# Altium PCB MIRA050CSP.PcbDoc (continued)
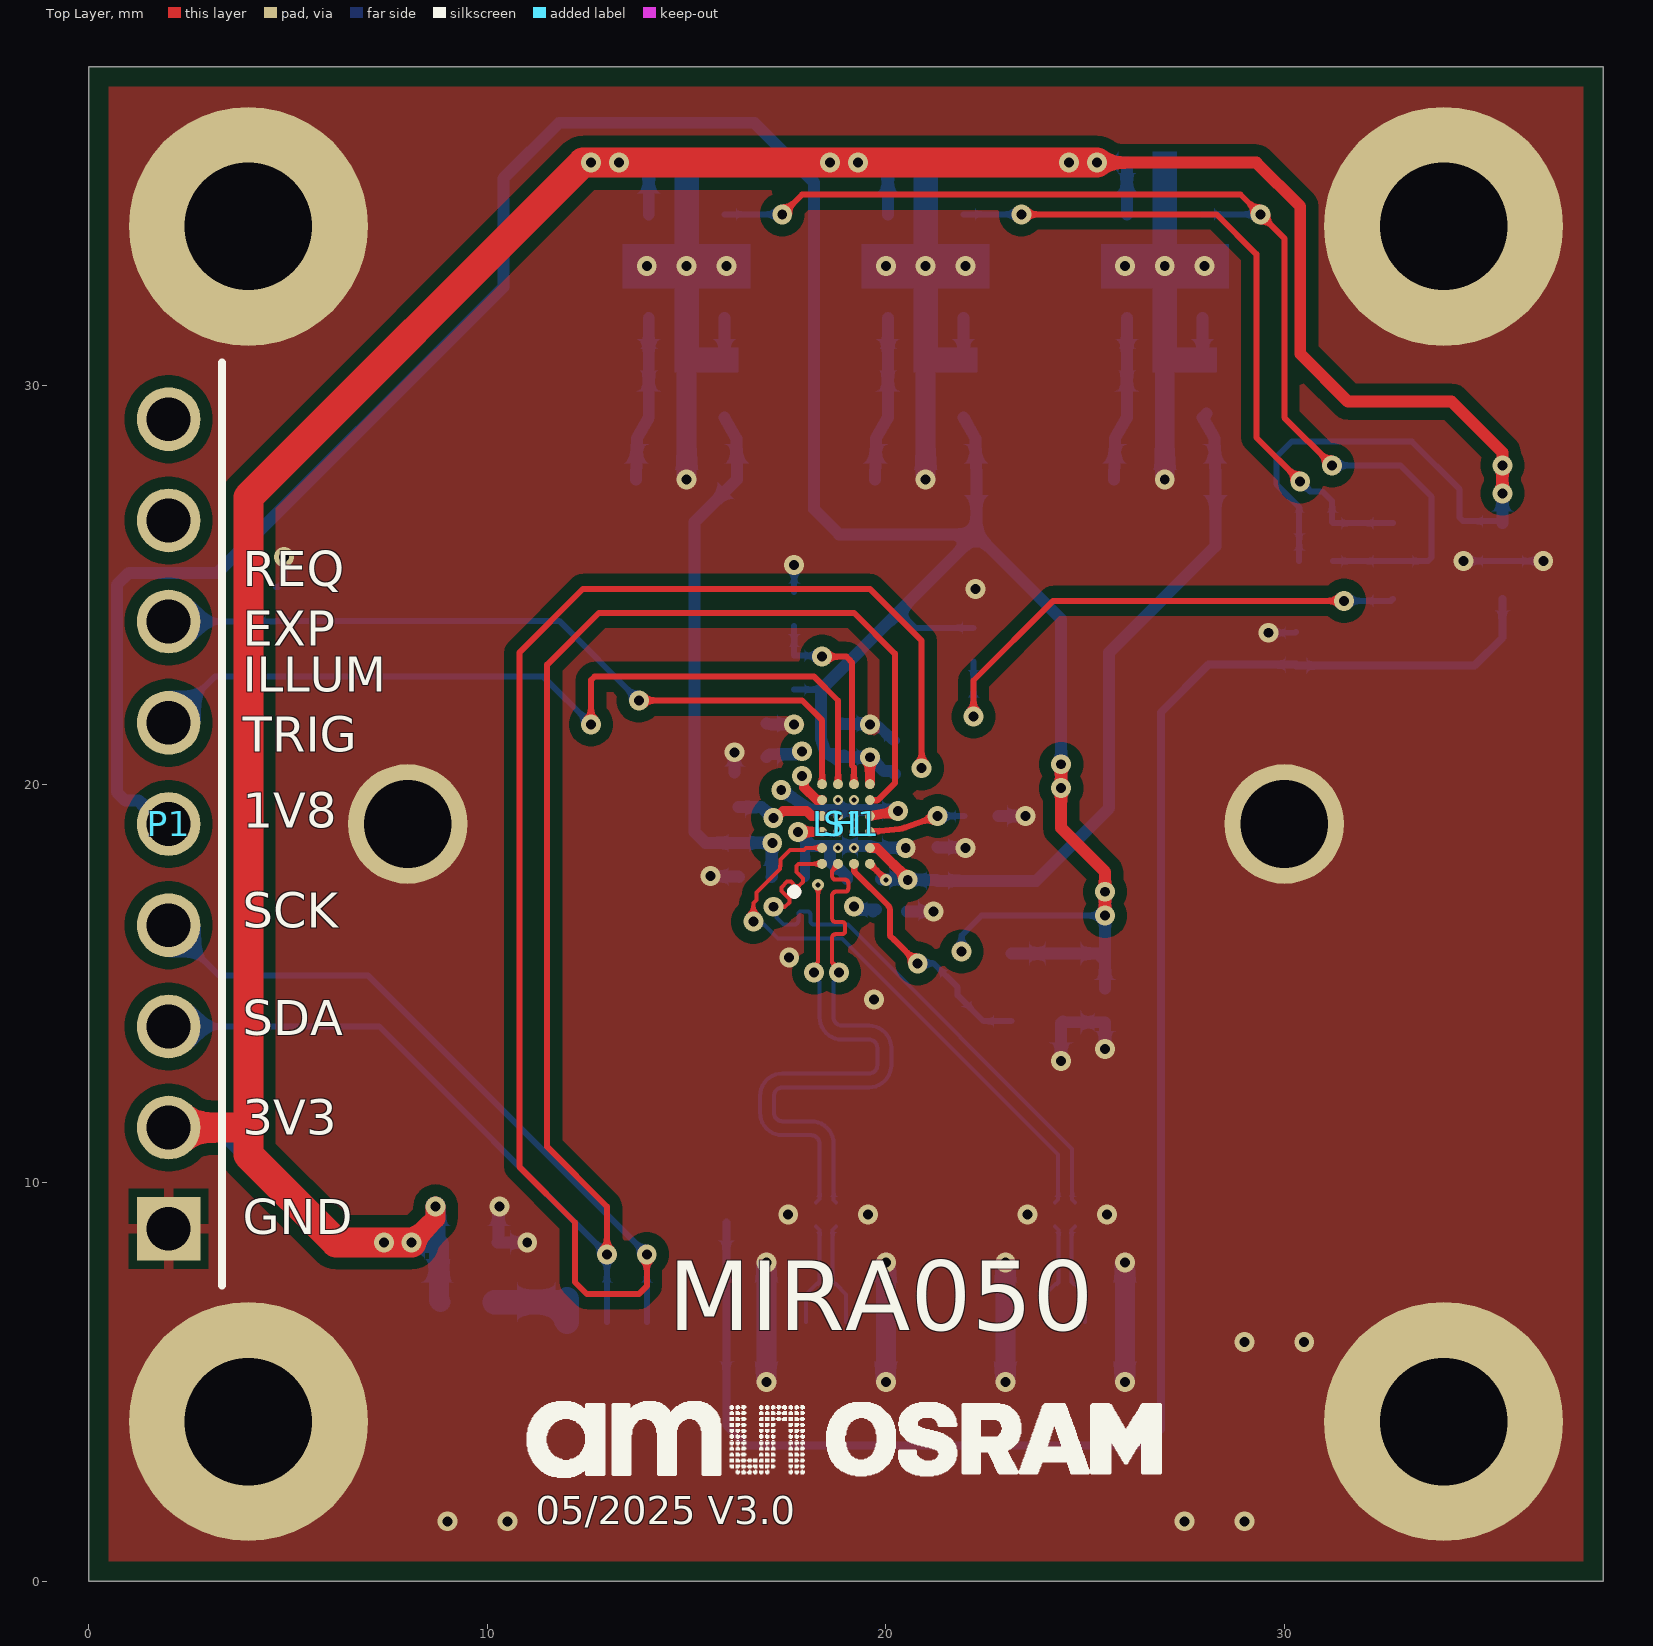
[diagram p0: Top Layer view]
## Design rules (kind name [scope] priority, off if disabled: settings)
Clearance [InNamedPolygon('GND_L01_P003') Or InNamedPolygon('GND_L02_P001') Or InNamedPolygon('GND_L03_P005') Or InNamedPolygon('GND_L04_P002')] p1: gap=0.3 ignorepadtopadclearanceinfootprint=FALSE
Clearance Clearance_L3 [OnLayer('Layer 3')] p2: gap=0.15 ignorepadtopadclearanceinfootprint=FALSE
Clearance Clearance_L3_1 [OnLayer('Layer 2')] p3: gap=0.15 ignorepadtopadclearanceinfootprint=FALSE
Clearance Clearance_L4 [OnLayer('Bottom Layer')] p4: gap=0.15 ignorepadtopadclearanceinfootprint=FALSE
Clearance Clearance_3 [All] p5: gap=0.125 ignorepadtopadclearanceinfootprint=FALSE
ComponentClearance [HasFootprint('Fiducial') vs HasFootprint('MIRA220CSP')] p1: gap=0 collisioncheckmode=3 verticalgap=0.254 showdistances=FALSE
ComponentClearance ComponentClearance_1 [All] p2: gap=0.2 collisioncheckmode=3 verticalgap=0.254 showdistances=FALSE
DiffPairsRouting [InDifferentialPairClass('All Differential Pairs')] p1: maxlimit=0.5 minlimit=0.15 mostfreqgap=0.25 toplayer_mingap=0.25 toplayer_maxgap=0.25 toplayer_minwidth=0.1 toplayer_maxwidth=0.1 toplayer_prefwidth=0.1 bottomlayer_mingap=0.25 bottomlayer_maxgap=0.25 bottomlayer_minwidth=0.1 bottomlayer_maxwidth=0.1 bottomlayer_prefwidth=0.1 impedanceprofiledriven=TRUE impedanceprofileid={A97C6509-805A-4A65-91DB-B8C01E69FF81} impedanceprofilevalue=100.000000 maxuncoupledlength=3
HoleSize [All] p1: absolutevalues=TRUE maxlimit=5 minlimit=0.125 maxpercent=80.000 minpercent=20.000
HoleToHoleClearance [All] p1: gap=0.25 allowstackedmicrovias=TRUE
MatchedLengths [InDifferentialPairClass('All Differential Pairs')] p1: tolerance=0.1 checknetsindiffpair=TRUE checkdiffpairvsdiffpair=FALSE checkxsignals=FALSE checkothers=FALSE
MatchedLengths MatchLengths_xSignals_S1_J1 [InxSignalClass('xSignals_S1_J1_MatchLengthsClass')] p2: tolerance=0.1 checknetsindiffpair=FALSE checkdiffpairvsdiffpair=TRUE checkxsignals=TRUE checkothers=TRUE
MinimumSolderMaskSliver [All] p1: minsoldermaskwidth=0.075
PasteMaskExpansion PasteMaskExpansion_1 [InComponent('C12')] p1: expansion=-2539.975 usepaste=FALSE
PasteMaskExpansion PasteMaskExpansion_2 [InComponent('R10')] p2: expansion=-2539.975 usepaste=FALSE
PasteMaskExpansion [All] p3: expansion=0
PolygonConnect PolygonConnect_2 [HasPad('Free-M')] p1: connectstyle=Direct reliefconductorwidth=0.254 reliefentries=4 polygonreliefangle="90 Angle" airgapwidth=0.254
PolygonConnect [All] p2: thpad.connectstyle=Relief thpad.reliefconductorwidth=0.25 thpad.reliefentries=4 thpad.polygonreliefangle="90 Angle" thpad.airgapwidth=0.2 smdpad.connectstyle=Relief smdpad.reliefconductorwidth=0.25 smdpad.reliefentries=4 smdpad.polygonreliefangle="90 Angle" smdpad.airgapwidth=0.2 via.connectstyle=Direct via.reliefconductorwidth=0.25 via.reliefentries=4 via.polygonreliefangle="90 Angle" via.airgapwidth=0.2
RoutingVias RoutingVias_Thru [InDrillLayerPair('Top Layer - Bottom Layer')] p1: holewidth=0.25 width=0.5 viastyle="Through Hole" minholewidth=0.25 minwidth=0.5 maxholewidth=0.25 maxwidth=0.5
RoutingVias RoutingVias_1_2 [InDrillLayerPair('[uVia] Top Layer - Layer 2')] p2: holewidth=0.125 width=0.3 viastyle="Through Hole" minholewidth=0.125 minwidth=0.25 maxholewidth=0.125 maxwidth=0.3
SilkToSilkClearance [All] p1: silktosilkclearance=0.15
SilkToSolderMaskClearance [IsPad] p1: minsilkscreentomaskgap=0.1 clearancetoexposedcopper=TRUE
SolderMaskExpansion SolderMaskExpansion_1 [All] p1: expansion=0.025 istentingtop=FALSE
UnRoutedNet [All] p1: checkbadconnections=TRUE
Width [All] p1: maxlimit=1 minlimit=0.1 preferedwidth=0.15
21 further rules are at their usual default settings.

## Classes and differential pairs
differential pair MIPI_D: +MIPI_D_P -MIPI_D_N
differential pair CON_MIPI_D0: +CON_MIPI_D0_P -CON_MIPI_D0_N
differential pair CON_MIPI_CLK: +CON_MIPI_CLK_P -CON_MIPI_CLK_N
differential pair MIPI_CLK: +MIPI_CLK_P -MIPI_CLK_N

## Components (designator, comment, footprint, x,y, rotation, side; value= is the part's Value field where it differs from the comment)
C1 "2.2uF" CAPC0402_BEMA 26.475,35.6 r0 bottom (schematic designator C27)
C2 "2.2uF" CAPC0402_BEMA 20.475,35.6 r0 bottom (schematic designator C25)
C3 "2.2uF" CAPC0402_BEMA 14.475,35.6 r0 bottom (schematic designator C23)
C4 "2.2uF" CAPC0402_BEMA 26.475,30.65 r0 bottom (schematic designator C26)
C5 "2.2uF" CAPC0402_BEMA 20.475,30.65 r0 bottom (schematic designator C24)
C6 "2.2uF" CAPC0402_BEMA 14.475,30.65 r0 bottom (schematic designator C22)
C7 "1uF" CAPC0402_BEMA 19,21.1 r90 bottom (schematic designator C6)
C8 "100nF" CAPC0402_BEMA 17,21.1 r90 bottom (schematic designator C3)
C9 "100nF" CAPC0402_BEMA 20.225,20.675 r90 bottom (schematic designator C10)
C10 "1uF" CAPC0402_BEMA 16.2,19.8 r90 bottom (schematic designator C5)
C11 "2.2uF" CAPC0402_N 19.6,18.9 r270 bottom (schematic designator C1)
C12 "NO BOM" CAPC0402_N 18.6,18.9 r270 bottom (schematic designator C8)
C13 "10uF" CAPC0402_BEMA 16.313,18.1 r270 bottom (schematic designator C2)
C14 "10uF" CAPC0402_BEMA 21.3,18 r90 bottom (schematic designator C7)
C15 "100nF" CAPC0402_BEMA 17.55,17.675 r0 bottom (schematic designator C9)
C16 "100nF" CAPC0402_BEMA 19.45,17.625 r180 bottom (schematic designator C11)
C17 "2.2uF" CAPC0402_BEMA 20.175,16.85 r0 bottom (schematic designator C4)
C18 "2.2uF" CAPC0402_BEMA 25.5,14.45 r270 bottom (schematic designator C28)
C19 "22uF 0603 >10V" CAPC0603_BEMA 9.5,8.5 r0 bottom (schematic designator C21)
FB1 "BLM18AG601SN1D" FP-BLM18-0_15-t0_8-IPC_B 9.5,7 r0 bottom (schematic designator FB4)
J1 "1-84952-5" TE_1-84952-5 19,6.5 r180 bottom locked
L1 "DLM0NSN500HY2" FP-DLM0N-MFG 24.5,9.2 r90 bottom locked
L2 "DLM0NSN500HY2" FP-DLM0N-MFG 18.5,9.2 r90 bottom locked
LH1 "LensHolder12mm" LensHolder12mmSmount 19,19 r0 top locked
P1 "61300911121" 61300911121 2,19 r90 top locked
R1 "0, 0805" RESC0805_BEMA 27,29.198 r0 bottom (schematic designator R5)
R2 "0, 0805" RESC0805_BEMA 21,29.198 r0 bottom (schematic designator R4)
R3 "0, 0805" RESC0805_BEMA 15,29.198 r0 bottom
R4 "100K" RESC0402_BEMA 30.8,26.55 r180 bottom (schematic designator R6)
R5 "100K" RESC0402_BEMA 30.8,25.6 r180 bottom (schematic designator R7)
R6 "100K" RESC0402_BEMA 4.7,24.525 r270 bottom (schematic designator R1)
R7 "100K" RESC0402_BEMA 17.7,24.4 r270 bottom (schematic designator R10)
R8 "100K" RESC0402_BEMA 22.2,23.5 r90 bottom
R9 "100K" RESC0402_BEMA 30.3,23.4 r270 bottom (schematic designator R11)
R10 "NO BOM" RESC0402_BEMA 17.7,22.8 r270 bottom (schematic designator R9)
R11 "15.2K" RESC0402_BEMA 22.4,19.2 r0 bottom (schematic designator R2)
S1 "MIRA050_CSP" MIRA050CSP 19,19 r0 top locked
TP1 "1V8" TP_1mm 22.27,27.65 r0 bottom (schematic designator TP10)
TP2 "1V2" TP_1mm 28.27,27.65 r0 bottom (schematic designator TP12)
TP3 "TestPoint" TP_1mm 25.73,27.65 r270 bottom (schematic designator TP11)
TP4 "TestPoint" TP_1mm 19.73,27.65 r270 bottom (schematic designator TP9)
TP5 "2V8" TP_1mm 16.27,27.65 r0 bottom (schematic designator TP8)
TP6 "TestPoint" TP_1mm 13.73,27.65 r270 bottom (schematic designator TP7)
TP7 "TestPoint" TP_075mm 27,27.65 r180 bottom (schematic designator TP1)
TP8 "TestPoint" TP_075mm 21,27.65 r180 bottom (schematic designator TP3)
TP9 "TestPoint" TP_075mm 15,27.65 r180 bottom (schematic designator TP2)
TP10 "TestPoint" TP_1MM 22.2,21.7 r270 bottom (schematic designator TP4)
TP11 "TestPoint" TP_1MM 21.8,14.9 r270 bottom (schematic designator TP6)
TP12 "TestPoint" TP_1MM 16,9 r90 bottom (schematic designator TP5)
U1 "LP5907MFX-1.2/NOPB" FP-DBV0005A-MFG 27,33 r270 bottom (schematic designator U7)
U2 "LP5907MFX-1.8/NOPB" FP-DBV0005A-MFG 21,33 r270 bottom (schematic designator U6)
U3 "LP5907MFX-2.8/NOPB" FP-DBV0005A-MFG 15,33 r270 bottom (schematic designator U5)
U4 "LM3880MF-1AA/NOPB" DBV0006A_N 34.1,25.6 r180 bottom
Y1 "SG-210STF 24.0000ML0" 2.5X2_OSC 23.8,14.9 r270 bottom

## Footprints (in the part's own frame and the unit in brackets; to place one, negate y for a bottom-side part, rotate by r counter-clockwise, add the part's x,y. Pads: shape width x height; smd on the part's side, far side on the other; paste and mask are expansions set on the pad)
2.5X2_OSC [mm] "Epson SG-211 series"
  rect 1.1x0.9 smd: 1(-0.85,-0.65) 2(0.85,-0.65) 3(0.85,0.65) 4(-0.85,0.65)
  silkscreen extent -1.8,-1.6 1.25,1, body extent -1.25,-1 1.25,1, height 0.79
61300911121 [mm] "Pin Header, pitch 2.54 mm, THT, Vertical, single row, 9p"
  rect 1.6x1.6 hole 1.1: 1(-10.16,0)
  round 1.6 hole 1.1: 2(-7.62,0) 3(-5.08,0) 4(-2.54,0) 5(0,0) 6(2.54,0) 7(5.08,0) 8(7.62,0) 9(10.16,0)
  silkscreen extent -11.58,-1.35 11.58,-1.35, body extent -11.43,-1.27 11.43,1.27, height 8.57
CAPC0402_BEMA [mm]
  rect 0.45x0.55 smd: 1(-0.425,0) 2(0.425,0)
  body extent -0.5,-0.26 0.5,0.26, height 0.52
CAPC0402_N [mm]
  rect 0.62x0.62 smd: 1(-0.45,0) 2(0.45,0)
  body extent -0.5,-0.26 0.5,0.26, height 0.52
CAPC0603_BEMA [mm]
  rect 0.65x0.85 smd: 1(-0.75,0) 2(0.75,0)
  body extent -0.8,-0.4 0.8,0.4, height 0.8
DBV0006A_N [mm] "SOT23, 6-Leads, Body 3.05x1.75mm, Pitch 0.95mm, IPC Medium Density"
  rrect17% 1x0.6 smd: 1(-1.375,0.95) 2(-1.375,0) 3(-1.375,-0.95) 4(1.375,-0.95) 5(1.375,0) 6(1.375,0.95)
  silkscreen extent -1.5,-1.55 0.5,1.92, body extent -1.42,-1.46 1.42,1.46, height 1.11
FP-BLM18-0_15-t0_8-IPC_B [mm]
  rect 1.106x0.958 smd paste+0 mask+0: 1(-0.676,0) 2(0.676,0)
  body extent -0.8,-0.4 0.8,0.4, height 0.95
FP-DBV0005A-MFG [mm]
  rrect17% 1.1x0.6 smd: 1(-1.3,0.95) 2(-1.3,0) 3(-1.3,-0.95) 4(1.3,-0.95) 5(1.3,0.95)
  silkscreen extent -1.55,-1.53 0.87,1.85, body extent -1.4,-1.45 1.4,1.45, height 1.45
FP-DLM0N-MFG [mm]
  rect 0.3x0.3 smd: 1(-0.3,0.25) 2(0.3,0.25) 3(0.3,-0.25) 4(-0.3,-0.25)
  silkscreen extent -1.02,0.48 -0.78,0.72, body extent -0.33,-0.43 0.33,0.43, height 0.5
LensHolder12mmSmount [mm] "with clearances for / Alaud Holder-004 (long BFL) / Alaud H1109 (short BFL)"
  round 3 / inner round 3 / far side round 5 hole 2.2 paste-10 mask+0.1: M(-11,0) M(11,0)
  body extent -13.19,-10 13.19,10, height 12.5
MIRA050CSP [mm]
  round 0.25 smd mask+0.025: A1(-0.6,-1) A2(-0.2,-1) A3(0.2,-1) A4(0.6,-1) B1(-0.6,-0.6) B2(-0.2,-0.6) B3(0.2,-0.6) B4(0.6,-0.6) C1(-0.6,-0.2) C2(-0.2,-0.2) C3(0.2,-0.2) C4(0.6,-0.2) D1(-0.6,0.2) D2(-0.2,0.2) D3(0.2,0.2) D4(0.6,0.2) E1(-0.6,0.6) E2(-0.2,0.6) E3(0.2,0.6) E4(0.6,0.6) F1(-0.6,1) F2(-0.2,1) F3(0.2,1) F4(0.6,1)
  silkscreen extent -1.35,-1.75 -1.25,-1.65, body extent -1.14,-1.42 1.14,1.42, height 0.63
RESC0402_BEMA [mm]
  rect 0.45x0.55 smd: 1(-0.425,0) 2(0.425,0)
  body extent -0.5,-0.25 0.5,0.25, height 0.35
RESC0805_BEMA [mm] "Thick Film Resistors, SMT, body size 2x1.25mm"
  rect 0.9x1.35 smd: 1(-0.95,0) 2(0.95,0)
  body extent -1,-0.62 1,0.63, height 0.6
TE_1-84952-5 [mm]
  rect 0.61x2 smd: 1(-7,0) 2(-6,0) 3(-5,0) 4(-4,0) 5(-3,0) 6(-2,0) 7(-1,0) 8(0,0) 9(1,0) 10(2,0) 11(3,0) 12(4,0) 13(5,0) 14(6,0) 15(7,0)
  rect 2.68x3.6 smd: S1(-9.99,-2.8) S2(9.99,-2.8)
  silkscreen extent -11.46,-6.4 11.46,0.27, body extent -11.48,-6.45 11.44,0.09, height 2.55
TP_1mm [mm]
  round 1 smd paste-2539.97: 1(0,0)
TP_1MM [mm]
  round 1 smd paste-0.5: 1(0,0)
TP_075mm [mm]
  round 0.75 smd paste-2539.97 mask-0.05: 1(0,0)

## Part data
C1 C2 C3 C4 C5 C6 C11 C17 C18: library part Capacitor, "SMT Capacitor", Part Number=GRM155R61E225ME15D
C7 C10: library part Capacitor, "SMT Capacitor", Part Number=GRM155Z71A105KE01
C8 C9 C15 C16: library part Capacitor, "SMT Capacitor", Part Number=GRM155R71E104KE14J
C12: library part Capacitor, "SMT Capacitor"
C13 C14: library part Capacitor, "SMT Capacitor", Part Number=GRM155R60J106ME15D
C19: library part Capacitor, "SMT Capacitor", Part Number=GRM187R61A226ME15D
FB1: library part CMP-0686-00436-3, "Chip Ferrite Bead, 0603, 600Ω @ 100MHz, 0.38Ω, 25%, 500mA", Case Code (Imperial)=0603, Case Code (Metric)=1608, Current Rating=500mA, DC Resistance (DCR)=380mR, Frequency=100MHz, Max Operating Temperature=125°C, Min Operating Temperature=-55°C, Package Quantity=1, Tolerance=25%, Case/Package=0603, Core Material=Ferrite, DC Current=500mA, Depth=0.8mm, Height=0.8mm, Impedance=600R, Lead Free="Lead Free", Length=1.6mm, Material=Steel, Max Current Rating=500mA, Max DC Current=500mA, Military Standard=Not, Number of Circuits=1, Number of Lines=1, Number of Pins=2, Packaging="Tape and Reel", Part Number=BLM18AG601SN1D, Radiation Hardening=No, REACH SVHC="No SVHC", RoHS Compliant=Yes, Shielding=Unshielded, Termination=SMD/SMT, Test Frequency=100MHz, Weight=7.1E-05oz, Width=0.8mm
J1: "Conn FPC Connector SKT 15 POS 1mm Solder RA SMD T/R", Part Number=1-84952-5
L1 L2: library part CMP-2000-06161-2_1, "Common Mode Choke 50Ohm 100mA 4-Pin 03025 Paper T/R", Manufacturer=Murata, Manufacturer Part Number=DLM0NSN500HY2D, Supplier Part Number 1=2235025, Category="Common Mode Chokes", Part Number=DLM0NSN500HY2, Pricing 1="50=0.07600, 250=0.07100, 500=0.05800, 1000=0.05300, 2500=0.04700 (GBP)", RoHS=Yes, Stock 1=9350, Supplier 1=RSComponents
P1: library part CMP-1502-01080-1, "THT Vertical Pin Header WR-PHD, Pitch 2.54 mm, Single Row, 9 pins", Contact Resistance=20mOhm, Manufacturer="Wurth Elektronik", Operating Temperature=-40to105degC, Rated Current=3A, Withstanding Voltage=500VAC, Working Voltage=250VAC, Datasheet URL=https://katalog.we-online.de/em/datasheet/6130xx11121.pdf, Gender=Male, Manufacturer URL=http://www.we-online.de, Mounting Technology=THT, Orientation=Vertical, Package Reference=61300911121, Packaging=Bag, Part Number=61300911121, Pin Number=9, Pitch=2.54mm, Publisher=WurthElektronik, Row Number=Single
R1 R2 R3: library part Resistor, "SMT Resistor", Part Number="0, 0805, generic"
R4 R5 R6 R7 R8 R9: library part Resistor, "SMT Resistor", Part Number="100K 0402, generic"
R10: library part Resistor, "SMT Resistor"
R11: library part Resistor, "SMT Resistor", Part Number=RN73R1ETTP1522B25
S1: "AMS-OSRAM MIRA050 CSP, MONO", Part Number=Mira050-2QM1WB
TP1 TP2 TP5: library part TestPoint, "Test Point, various footprints"
TP3 TP4 TP6 TP7 TP8 TP9: "Test Point, various footprints"
TP10 TP11 TP12: library part 5001, "Test Point, various footprints"
U1 U2 U3: library part LDO-STO23-5, "IC REG LINEAR fixed Voltage, SOT23-5 / SOT-25 / SC74A package", Mount="Surface Mount"
  U1: Part Number=LP5907MFX-1.2/NOPB
  U2: Part Number=LP5907MFX-1.8/NOPB
  U3: Part Number=LP5907MFX-2.8/NOPB
U4: library part CMP-0063-01015-4, "Power Sequencer, 6-pin SOT-23, Pb-Free, 1000 Reel", Part Number=LM3880MF-1AA/NOPB
Y1: library part OSC, "OSC, 24MHz, 1.8V, CMOS, EN", ComponentLink2Description=Datasheet, ComponentLink2URL=http://ww1.microchip.com/downloads/en/DeviceDoc/20005624B.pdf, Device Class L3=Oscillators, Part Number="SG-210STF 24.0000ML0"

## Free pads (board coordinates)
  round 6 hole 3.2 paste-3: M(4,4) M(4,34) M(34,4) M(34,34)

## Via types
v1: diameter 0.5, hole 0.25, Top Layer to Bottom Layer, tented both sides, 95 vias
v2: diameter 0.25, hole 0.125, Top Layer to Layer 2, tented both sides, 8 vias
v3: diameter 0.3, hole 0.125, Top Layer to Layer 2, tented both sides, 2 vias

## Nets (pads, with @x,y where several pads share a name; then routed paths per layer and width w, separated by ;. In a path a pad name is that pad's centre, name@x,y a point inside that pad or via, vN(x,y) a via of type N, cw(c..) or ccw(c..) an arc to the next point about the centre after c; other vN are vias at no path point)
CAM_ENABLE: J1.11 R9.2 TP12.1 U4.3 | length 44.7
  Bottom Layer w0.2: TP12.1 J1.11 16,3.9 16.5,3.4 26.5,3.4 26.9,3.8 26.9,21.8 28.1,23 R9.2@30.3,23 ; R9.2 34.775,22.975 35.475,23.675 U4.3
CCI_ADDR: R7.2 R10.1 S1.F3 | length 5.1
  Top Layer w0.15: v1(18.4,23.2) 19.012,23.2 19.1,23.112 19.1,23.1 19.15,23.05 19.15,20.469 19.2,20.419 S1.F3
  Bottom Layer w0.15: R7.2 R10.1 v1@18.201,23.225
CLK240: S1.A3 TP11.1 Y1.3 | length 6.2
  Top Layer w0.15: S1.A3 19.211,17.989 19.211,17.8 20.056,16.955 cw(c19.95,16.849) 20.1,16.849 20.1,16.2 20.209,16.091 v1(20.8,15.5)
  Bottom Layer w0.15: v1(20.8,15.5) 21.2,15.5 TP11.1 21.8,14.7 22.45,14.05 Y1.3
CON_MIPI_CLK_N: J1.8 L2.1 | length 2.6
  Bottom Layer w0.1: L2.1 18.663,8.812 18.663,7.509 18.721,7.45 18.745,7.45 19,7.195 J1.8
CON_MIPI_CLK_P: J1.9 L2.4 | length 2.6
  Bottom Layer w0.1: J1.9 18,7.195 18.255,7.45 18.279,7.45 18.337,7.509 18.337,8.813 L2.4
CON_MIPI_D0_N: J1.2 L1.1 | length 2.6
  Bottom Layer w0.1: L1.1 24.662,8.812 24.662,7.797 24.663,7.509 24.721,7.45 24.745,7.45 25,7.195 J1.2
CON_MIPI_D0_P: J1.3 L1.4 | length 2.6
  Bottom Layer w0.1: J1.3 24,7.195 24.255,7.45 24.279,7.45 24.338,7.509 24.338,7.663 24.337,8.813 L1.4
EN_LDO_18: R4.1 U2.3 U4.6 | length 17
  Top Layer w0.15: v1(23.4,34.3) 28.3,34.3 29.3,33.3 29.3,28.7 v1(30.4,27.6)
  Bottom Layer w0.15: U2.3 v1(23.4,34.3) ; v1(30.4,27.6) 30.65,27.35 30.95,27.35 31.2,27.1 31.2,26.575 R4.1 U4.6
EN_LDO_28_12: R5.1 U1.3 U3.3 U4.5 | length 29.2
  Top Layer w0.15: v1(17.4,34.3) 17.9,34.8 28.9,34.8 v1(29.4,34.3) 30,33.7 30,29.2 v1(31.2,28)
  Bottom Layer w0.15: U3.3 v1(17.4,34.3) ; U1.3 v1(29.4,34.3) ; v1(31.2,28) 32.912,28 33.7,27.212 33.7,25.688 33.612,25.6 U4.5 R5.1
GND: C1.2 C2.2 C3.2 C4.2 C5.2 C6.2 C7.2 C8.2 C9.2 C10.2 C11.2 C12.2 C13.2 C14.2 C15.2 C16.2 C17.2 C18.2 C19.2 J1.1 J1.4 J1.7 J1.10 J1.S1 J1.S2 LH1.M P1.1 pad.M R6.1 R7.1 R9.1 R11.2 S1.C1 S1.C3 S1.E1 TP7.1 TP8.1 TP9.1 U1.2 U1.4 U2.2 U2.4 U3.2 U3.4 U4.2 Y1.2 | length 53.6
  Top Layer w0.25: v1(17.8,18.8) S1.C1 ; v1(17.9,20.2) 17.948,20.152 17.948,19.922 18.27,19.6 S1.E1
  Layer 2 w0.25: v2(19.2,18.8) cw(c19.2,18.4) 19.33,18.778 19.764,18.629 ccw(c19.845,18.866) 19.77,18.627 v1(20.5,18.4)
  Bottom Layer w0.15: R6.1 4.75,24.95 4.9,25.1 v1(4.9,25.7) ; R7.1 v1(17.7,25.5) ; v1(29.6,23.8) 30.275,23.8 R9.1 ; v1(34.5,25.6) U4.2 v1(36.5,25.6)
  Bottom Layer w0.25: v1(17.8,18.8) 17.8,18.732 17.975,18.557 C15.2 ; v1(19.6,21.5) 19.648,21.452 19.823,21.452 20.175,21.1 C9.2
  Bottom Layer w0.3: v1(10.3,9.4) 10.275,9.375 10.275,8.525 C19.2 v1(11,8.5) ; v1(15.6,17.7) 15.612,17.688 16.3,17.688 C13.2 ; 15.95,30.55 U3.4 ; v1(16.2,20.8) 16.2,20.291 C10.2@16.203,20.288 ; C8.2 17.125,21.5 v1(17.7,21.5) ; v1(17.8,18.8) 18.15,18.45 C12.2 ; C7.2@18.9,21.525 18.913,21.512 19.587,21.512 v1(19.6,21.5) ; C16.2 19.025,17.675 18.826,17.874 18.776,17.874 18.6,18.05 C12.2 ; v1(20.5,18.4) 19.76,18.4 C11.2 C12.2 ; C17.2@20.525,16.8 v1(21.2,16.8) ; C14.2 21.313,18.413 21.987,18.413 v1(22,18.4) ; 21.95,30.55 U2.4 ; R11.2 22.9,19.2 v1(23.5,19.2) ; v1(24.4,13.05) 24.4,14 Y1.2 24.475,14.025 C18.2 v1(25.5,13.35) ; 27.95,30.55 U1.4
  Bottom Layer w0.5: v1(15,27.65) v1(15,33) ; v1(17,5) J1.10 v1(17,8) ; v1(20,5) J1.7 v1(20,8) ; v1(21,27.65) v1(21,33) ; v1(23,5) J1.4 v1(23,8) ; v1(26,5) J1.1 v1(26,8) ; v1(27,27.65) v1(27,33)
  other v1: 9,1.5 10.5,1.5 27.5,1.5 29,1.5 29,6 30.5,6 17.55,9.2 19.55,9.2 23.55,9.2 25.55,9.2 19.7,14.6 17.575,15.65 22.25,24.9 14,33 16,33 20,33 22,33 26,33 28,33
MIPI_CLK_N: L2.2 S1.A2 | length 14.8
  Top Layer w0.1: S1.A2 18.8,17.976 18.735,17.911 18.65,17.826 18.65,17.701 ccw(c18.75,17.701) 18.75,17.601 18.982,17.601 cw(c18.982,17.526) 19.057,17.526 19.057,17.376 cw(c18.982,17.376) 18.982,17.301 18.75,17.301 ccw(c18.75,17.201) 18.65,17.201 18.65,16.851 18.65,16.638 ccw(c18.75,16.638) 18.75,16.538 18.904,16.538 cw(c18.904,16.463) 18.979,16.463 18.979,16.313 cw(c18.904,16.313) 18.904,16.238 18.75,16.238 ccw(c18.75,16.138) 18.65,16.138 18.65,15.788 18.65,15.524 18.825,15.349 v1(18.825,15.275)
  Bottom Layer w0.1: L2.2 18.687,9.563 18.687,10.225 18.687,10.976 ccw(c18.125,10.976) 18.125,11.539 17.406,11.539 cw(c17.406,11.751) 17.193,11.751 17.193,12.176 cw(c17.406,12.176) 17.406,12.389 19.574,12.389 ccw(c19.574,12.951) 20.137,12.951 20.137,13.376 ccw(c19.574,13.376) 19.574,13.939 18.9,13.939 cw(c18.9,14.151) 18.687,14.151 18.687,14.376 18.687,15.029 18.825,15.167 v1(18.825,15.275)
MIPI_CLK_P: L2.3 S1.B2 | length 14.1
  Top Layer w0.1: v1(18.2,15.275) 18.277,15.352 18.277,15.51 18.3,15.534 v3(18.3,17.475)
  Layer 2 w0.125: v3(18.3,17.475) 18.3,17.9 v2(18.8,18.4)
  Bottom Layer w0.1: v1(18.2,15.275) 18.2,15.167 18.337,15.029 18.337,14.376 18.337,14.151 ccw(c18.9,14.151) 18.9,13.589 19.574,13.589 cw(c19.574,13.376) 19.787,13.376 19.787,12.951 cw(c19.574,12.951) 19.574,12.739 17.406,12.739 ccw(c17.406,12.176) 16.843,12.176 16.843,11.751 ccw(c17.406,11.751) 17.406,11.189 18.125,11.189 cw(c18.125,10.976) 18.337,10.976 18.337,10.37 18.337,10.225 18.337,9.587 L2.3
MIPI_D_N: L1.2 S1.A1 | length 14.8
  Top Layer w0.1: v1@17.193,16.94 v1(17.176,16.923) 17.473,16.923 17.584,17.034 17.584,17.116 17.376,17.324 17.376,17.407 17.522,17.553 17.622,17.553 17.725,17.45 17.825,17.45 17.921,17.546 17.921,17.629 17.754,17.796 17.754,17.941 17.813,18 18.163,18 S1.A1
  Bottom Layer w0.1: v1(17.176,16.923) 17.252,16.847 17.252,16.657 17.434,16.475 17.654,16.475 17.704,16.475 ccw(c17.704,16.575) 17.804,16.575 17.804,16.732 cw(c17.879,16.732) 17.879,16.807 18.029,16.807 cw(c18.029,16.732) 18.104,16.732 18.104,16.575 ccw(c18.204,16.575) 18.204,16.475 18.367,16.475 19.045,16.475 24.675,10.845 24.675,9.575 L1.2
MIPI_D_P: L1.3 S1.B1 | length 14.3
  Top Layer w0.1: v1(16.674,16.549) 16.674,17.019 16.751,17.095 16.751,17.276 17.346,17.871 17.346,17.941 17.354,17.95 17.354,18.107 17.597,18.35 17.947,18.35 17.997,18.4 S1.B1
  Bottom Layer w0.1: v1(16.674,16.549) 16.751,16.473 16.941,16.473 17.289,16.125 18.9,16.125 24.325,10.7 24.325,9.575 L1.3
R_EXT: R11.1 S1.C4 | length 2.4
  Top Layer w0.15: S1.C4 20.346,18.877 ccw(c20.3,19.325) 20.472,18.909 cw(c20.529,18.77) 20.49,18.915 ccw(c20.45,19.06) 20.499,18.918 v1(21.3,19.2)
  Bottom Layer w0.15: v1(21.3,19.2) R11.1
REQ_EXP: P1.7 R6.2 S1.F1 | length 19
  Top Layer w0.15: v1(13.8,22.1) 17.9,22.1 18.4,21.6 18.4,21.4 S1.F1
  Bottom Layer w0.15: P1.7 4.68,24.08 R6.2 11.8,24.1 v1(13.8,22.1)
RST_N: R8.1 S1.E3 TP10.1 U4.4 | length 17.5
  Top Layer w0.15: v1(22.2,21.7) 22.2,22.6 24.2,24.6 v1@31.3,24.6
  Layer 2 w0.15: v2(19.2,19.6) 21.3,21.7 v1(22.2,21.7)
  Bottom Layer w0.15: v1(22.2,21.7) R8.1 ; v1@31.3,24.6 32.675,24.6 U4.4
  other v1: 31.5,24.6
SCK: J1.13 P1.4 S1.D3 | length 53.1
  Top Layer w0.15: v1(14,8.2) 14,7.4 13.8,7.2 12.5,7.2 12.2,7.5 12.2,9 10.8,10.4 10.8,23.3 12.4,24.9 19.6,24.9 20.9,23.6 v1(20.9,20.4)
  Layer 2 w0.15: v2(19.2,19.2) 19.375,19.2 19.6,19.425 19.6,19.575 20,19.975 20.475,19.975 v1(20.9,20.4)
  Bottom Layer w0.15: P1.4 3.26,15.2 7,15.2 v1(14,8.2) J1.13
SDA: J1.14 P1.3 S1.E4 | length 44.2
  Top Layer w0.15: v1(13,8.2) 13,9.4 11.5,10.9 11.5,23 12.8,24.3 19.2,24.3 20.225,23.275 20.225,20.025 19.8,19.6 S1.E4
  Bottom Layer w0.15: P1.3 7.28,13.92 v1(13,8.2) J1.14
TRIG_ILLUM: P1.6 S1.F2 | length 21.3
  Top Layer w0.15: v1(12.6,21.5) 12.6,22.612 12.688,22.7 18.2,22.7 18.8,22.1 18.8,21.4 S1.F2
  Bottom Layer w0.15: P1.6 3.16,22.7 11.4,22.7 v1(12.6,21.5)
VDD12: C14.1 C16.1 R1.2 S1.B4 TP2.1 | length 18.9
  Top Layer w0.25: S1.B4 19.775,18.4 20.55,17.625 v1(20.55,17.6)
  Bottom Layer w0.3: C16.1 19.887,17.613 20.537,17.613 v1(20.55,17.6) C14.1@21.275,17.6 ; C14.1 23.775,17.575 25.6,19.4 25.6,23.3 28.27,25.97 TP2.1 28.25,28.673 R1.2 R1.2@28.052,29.3
VDD18: C7.1 C9.1 C18.1 P1.5 R2.2 R8.2 R10.2 S1.A4 S1.F4 TP1.1 Y1.1 Y1.4 | length 84.2
  Top Layer w0.15: S1.A4 v3(20,17.6)
  Top Layer w0.25: S1.F4 v1(19.6,20.675)
  Top Layer w0.3: v1(24.4,20.5) 24.4,18.9 25.5,17.8 v1(25.5,16.7)
  Layer 2 w0.15: v1(19.6,20.675) cw(c19.747,20.647) v1@19.641,20.753 ; v3(20,17.6) 20,17.559 20.075,17.484 20.075,16.401 20.501,15.975 20.997,15.975 21.172,15.8 v1(21.9,15.8)
  Bottom Layer w0.15: P1.5 P1.5@2.1,19 ; R10.2 18.375,22.375 18.4,22.4 ; 20.335,24.335 20.745,23.925 R8.2 ; v1(21.9,15.8) 21.9,16.2 22.4,16.7 v1(25.5,16.7)
  Bottom Layer w0.3: P1.5 1.832,19 1.244,19.588 0.912,19.588 0.7,19.8 0.7,25 1,25.3 3.224,25.3 10.4,32.476 10.4,35.2 11.8,36.6 16.7,36.6 18.2,35.1 18.2,26.9 18.83,26.27 22.27,26.27 ; 18.375,22.375 18.375,21.174 ccw(c18.675,21.174) 18.401,21.051 cw(c17.9,20.825) 18.439,20.934 ccw(c18.733,20.995) 18.472,20.847 18.486,20.822 ccw(c18.747,20.97) 18.5,20.8 ccw(c18.802,21.102) 18.802,20.675 C7.1 ; 18.4,22.4 20.335,24.335 22.27,26.27 ; C7.1@18.95,20.725 C7.1 ; C9.1 20.15,20.325 19.95,20.325 v1(19.6,20.675) C7.1 ; R2.2 22.25,28.673 TP1.1 22.27,26.27 ; Y1.4 Y1.1 25.324,15.75 25.5,15.574 ; v1(24.4,19.9) v1(24.4,20.5) 24.4,24.14 22.27,26.27 ; C18.1 25.5,15.574 ; v1(25.5,17.3) v1(25.5,16.7) 25.5,15.574
  Bottom Layer w0.5: P1.5@2.1,19 P1.5@2.298,19
VDD28: C13.1 C15.1 R3.2 S1.C2 TP5.1 | length 15.8
  Layer 2 w0.25: v1(17.15,18.525) 17.577,18.325 ccw(c17.8,18.8) 18.297,18.631 cw(c18.534,18.55) 18.534,18.8 v2(18.8,18.8)
  Bottom Layer w0.3: R3.2 16.25,28.673 TP5.1 15.2,26.58 15.2,18.8 15.475,18.525 C13.1 v1(17.15,18.525) 17.138,18.513 17.138,17.687 C15.1
VDD33: C1.1 C2.1 C3.1 C19.1 FB1.1 P1.2 R4.2 R5.2 U1.1 U2.1 U3.1 U4.1 | length 96.6
  Top Layer w0.3: v1(25.3,35.6) 29.3,35.6 30.4,34.5 30.4,30.8 31.6,29.6 34.2,29.6 35.475,28.325 v1(35.475,28) v1(35.475,27.3)
  Top Layer w0.5: v1(8.1,8.5) 8.7,9.1 v1(8.7,9.4)
  Top Layer w0.75: P1.2 3.957,11.38 4,11.423 ; v1(8.1,8.5) v1(7.4,8.5) 6.2,8.5 4,10.7 4,11.423 ; v1(25.3,35.6) v1(24.6,35.6) 12.4,35.6 4,27.2 4,11.423
  Bottom Layer w0.15: R5.2 R4.2 30.375,26.953 29.8,27.528 29.8,28.212 30.188,28.6 33.2,28.6 34.4,27.4 34.4,26.688 34.488,26.6 35.425,26.6 U4.1
  Bottom Layer w0.3: v1(12.6,35.6) v1(13.3,35.6) C3.1 U3.1 ; v1(18.6,35.6) v1(19.3,35.6) C2.1 U2.1 ; v1(24.6,35.6) v1(25.3,35.6) 26.05,35.6 U1.1 ; U4.1 v1(35.475,27.3) v1(35.475,28)
  Bottom Layer w0.5: P1.2 3.32,11.38 6.2,8.5 v1(7.4,8.5) ; v1(8.1,8.5) v1(7.4,8.5) ; v1(8.7,9.4) 8.7,8.55 C19.1 ; FB1.1 8.787,7.037 8.787,8.463 C19.1 ; v1(7.4,8.5) 7.418,8.482 8.732,8.482 C19.1
VDD33_CON: FB1.2 J1.15 | length 2.9
  Bottom Layer w0.61: FB1.2 J1.15@12,7 ; J1.15@12,7.075 J1.15@12,7 ; J1.15@12,7 J1.15 J1.15@12,7
VINT_2: C11.1 C12.1 S1.D2 S1.D4 | length 5.4
  Top Layer w0.25: S1.D4 v1(20.3,19.325)
  Layer 2 w0.25: v1(17.375,19.85) 17.632,19.593 ccw(c17.808,19.771) 17.729,19.533 18.674,19.22 ccw(c18.8,19.6) v2(18.8,19.2)
  Bottom Layer w0.3: v1(17.375,19.85) 18.049,19.4 ccw(c18.216,19.65) 18.216,19.35 20.181,19.35 cw(c20.18,19.05) v1(20.3,19.325)
VINT_4: C17.1 S1.B3 | length 2.1
  Layer 2 w0.25: v1(19.2,16.925) 19.2,17.72 v2(19.2,18.4)
  Bottom Layer w0.3: v1(19.2,16.925) 19.254,16.925 19.329,16.85 C17.1 ; C17.1@19.675,16.8 C17.1@19.675,16.85
VINT_5: C10.1 S1.D1 | length 2.3
  Top Layer w0.25: v1(17.175,19.15) 17.243,19.15 17.418,19.325 18.014,19.325 18.139,19.2 S1.D1
  Bottom Layer w0.3: C10.1@16.3,19.425 16.884,19.425 17.159,19.15 v1(17.175,19.15)
VINT_6: C8.1 S1.E2 | length 2.7
  Layer 2 w0.25: v1(17.9,20.825) 18.121,20.825 cw(c18.121,20.575) 18.298,20.752 18.727,20.323 cw(c18.55,20.147) 18.8,20.147 v2(18.8,19.6)
  Bottom Layer w0.3: C8.1 17.075,20.75 17.771,20.75 17.846,20.825 v1(17.9,20.825)
VOUT12: C4.1 R1.1 TP3.1 U1.5 | length 4.1
  Bottom Layer w0.3: TP3.1 25.75,28.673 R1.1 U1.5
VOUT18: C5.1 R2.1 TP4.1 U2.5 | length 4.1
  Bottom Layer w0.3: TP4.1 19.75,28.673 R2.1 U2.5
VOUT28: C6.1 R3.1 TP6.1 U3.5 | length 4.1
  Bottom Layer w0.3: TP6.1 13.75,28.673 R3.1 U3.5
pads on no net: J1.5 J1.6 J1.12 P1.8 P1.9

## Polygon pours and split planes (outlines as drawn)
GND on Layer 3 "GND_L03_P005" (solid, remove dead copper, pour order 5): 0.5,0.5 37.5,0.5 37.5,37.5 0.5,37.5
GND on Bottom Layer "GND_L04_P002" (solid, remove dead copper, pour order 2): 0.5,0.5 37.5,0.5 37.5,37.5 0.5,37.5
GND on Top Layer "GND_L01_P003" (solid, remove dead copper, pour order 3): 0.5,0.5 37.5,0.5 37.5,37.5 0.5,37.5
GND on Layer 2 "GND_L02_P001" (solid, remove dead copper, pour order 1): 0.5,0.5 37.5,0.5 37.5,37.5 0.5,37.5

## Other copper
Bottom Layer:
  region net GND: 25.4,33.55 25.4,32.45 28.6,32.45 28.6,33.55
  region net GND: 26.7,35.875 26.7,30.337 28.287,30.337 28.3,30.35 28.3,30.95 27.3,30.95 27.3,35.875
  pour cut-out: 28.6,30.647 28.6,35.853 25.51,35.868 25.499,30.647
  region net GND: 19.4,33.55 19.4,32.45 22.6,32.45 22.6,33.55
  region net GND: 20.7,35.875 20.7,30.337 22.287,30.337 22.3,30.35 22.3,30.95 21.3,30.95 21.3,35.875
  pour cut-out: 22.6,30.647 22.6,35.853 19.51,35.868 19.499,30.647
  pour cut-out: 16.6,30.647 16.6,35.853 13.51,35.868 13.499,30.647
  region net GND: 14.7,35.875 14.7,30.337 16.287,30.337 16.3,30.35 16.3,30.95 15.3,30.95 15.3,35.875
  region net GND: 13.4,33.55 13.4,32.45 16.6,32.45 16.6,33.55

## Silkscreen, mask and mechanical layers (free items; w line width, h text height)
Top Overlay:
  drawing of 1425 lines, arcs and shapes, not listed
  text "REQ / EXP" at 3.857,23.179 h1.5
  text "ILLUM / TRIG" at 3.857,20.528 h1.5
  text "1V8" at 3.857,18.612 h1.5
  text "SCK" at 3.857,16.112 h1.5
  text "SDA" at 3.857,13.412 h1.5
  text "3V3" at 3.857,10.912 h1.5
  text "GND" at 3.857,8.412 h1.5
  text "MIRA050" at 14.539,5.723 h3
  text "05/2025 V3.0" at 11.211,1.184 h1.2
Bottom Overlay:
  rectangle: 35.8,8.5 37.2,9.9
  rectangle: 35.8,10.4 37.2,11.8
  rectangle: 35.8,12.3 37.2,13.7
  text "2V8" at 17,26.112 h1.5
  text "1V8" at 23,26.112 h1.5
  text "1V2" at 29,26.107 h1.5
  text "A0" at 17.123,24.142 h1
  text "RST" at 24.625,21.312 h1.5
  text "MIRA050 / -2Q_1WB" at 36.95,14.041 h1.75
  text "24MHz" at 22.118,13.965 h1.5 r90
  text "EN" at 15.2,9.388 h1.5
  text "M /  / C /  / I" at 35.025,8.106 h1.5
  text "MONO /  / RGB /  / RGB-IR" at 32.675,8.082 h1.5
Board:
  the board outline again, w0.1
Fab Notes:
  lines w0.35: -19.178,93.8 -11.079,93.8 15.413,93.8 31.509,93.8 44.405,93.8 ; -19.178,96.2 -11.079,96.2 15.413,96.2 31.509,96.2 44.405,96.2 ; -19.178,98.6 -11.079,98.6 15.413,98.6 31.509,98.6 44.405,98.6 ; -19.178,101 -11.079,101 15.413,101 31.509,101 44.405,101 ; -19.178,103.4 -11.079,103.4 15.413,103.4 31.509,103.4 44.405,103.4 ; -19.178,105.8 -11.079,105.8 15.413,105.8 31.509,105.8 44.405,105.8 ; -19.178,108.2 -11.079,108.2 15.413,108.2 31.509,108.2 44.405,108.2 ; -19.178,110.6 -11.079,110.6 15.413,110.6 31.509,110.6 44.405,110.6 ; -19.178,113 -11.079,113 15.413,113 31.509,113 44.405,113 ; -19.178,115.4 -11.079,115.4 15.413,115.4 31.509,115.4 44.405,115.4 ; -19.178,117.8 -11.079,117.8 15.413,117.8 31.509,117.8 44.405,117.8 ; -19.178,120.2 -11.079,120.2 15.413,120.2 31.509,120.2 44.405,120.2 ; -19.178,122.6 44.405,122.6 ; -11.079,125 -11.079,91.4 ; 15.413,125 15.413,91.4 ; 31.509,125 31.509,91.4 ; -11.079,91.4 -19.178,91.4 -19.178,125 44.405,125 44.405,91.4 31.509,91.4 ; -11.079,91.4 15.413,91.4 ; 15.413,91.4 31.509,91.4
  text "Layer" at -17.828,123.2 h1.2
  text "Name" at -9.729,123.2 h1.2
  text "Material" at 16.763,123.2 h1.2
  text "Thickness" at 32.859,123.2 h1.2
  text "Top Overlay" at -9.729,120.8 h1.2
  text "Top Solder" at -9.729,118.4 h1.2
  text "SM-002" at 16.763,118.4 h1.2
  text "0.025mm" at 32.859,118.4 h1.2
  text "Top Surface Finish" at -9.729,116 h1.2
  text "Nickel, Gold" at 16.763,116 h1.2
  text "0.004mm" at 32.859,116 h1.2
  text "1" at -17.828,113.6 h1.2
  text "Top Layer" at -9.729,113.6 h1.2
  text "CF-004" at 16.763,113.6 h1.2
  text "0.035mm" at 32.859,113.6 h1.2
  text "Dielectric1" at -9.729,111.2 h1.2
  text "PP-008" at 16.763,111.2 h1.2
  text "0.079mm" at 32.859,111.2 h1.2
  text "2" at -17.828,108.8 h1.2
  text "Layer 2" at -9.729,108.8 h1.2
  text "CF-004" at 16.763,108.8 h1.2
  text "0.035mm" at 32.859,108.8 h1.2
  text "Core" at -9.729,106.4 h1.2
  text "Core-041" at 16.763,106.4 h1.2
  text "0.889mm" at 32.859,106.4 h1.2
  text "3" at -17.828,104 h1.2
  text "Layer 3" at -9.729,104 h1.2
  text "CF-004" at 16.763,104 h1.2
  text "0.035mm" at 32.859,104 h1.2
  text "Dielectric2" at -9.729,101.6 h1.2
  text "PP-008" at 16.763,101.6 h1.2
  text "0.079mm" at 32.859,101.6 h1.2
  text "4" at -17.828,99.2 h1.2
  text "Bottom Layer" at -9.729,99.2 h1.2
  text "CF-004" at 16.763,99.2 h1.2
  text "0.035mm" at 32.859,99.2 h1.2
  text "Bottom Surface Finish" at -9.729,96.8 h1.2
  text "Nickel, Gold" at 16.763,96.8 h1.2
  text "0.004mm" at 32.859,96.8 h1.2
  text "Bottom Solder" at -9.729,94.4 h1.2
  text "SM-002" at 16.763,94.4 h1.2
  text "0.025mm" at 32.859,94.4 h1.2
  text "Bottom Overlay" at -9.729,92 h1.2
  text "Total board thickness:" at -17.828,89.6 h1.2
  text "1.245mm" at 32.859,89.6 h1.2
  text "SPECIFICATIONS" at 62.257,63.723 h3.2
  text "# FINISHED BOARD TOTAL THICKNESS IS  1.2MM (1.0 to 1.6 acceptable) /  / # micro vias TOP-L1; first/last dielectric approx 80um for impedance /  / # all thru VIAS plugged, filled, tented /  /  / # SILKSCREEN COLOR: WHITE (Yellow acceptable) / # SOLDER MASK COLOR: GREEN (other dark acceptable) / # BOARD FINISH: ENIG or ENEPIG" at 53.969,31.874 h1.6
Top Assembly:
  lines w0.05: 16.85,21.1 17.855,20.416
  text "CSP AMS Logo" at 12.175,21.166 h0.75
Sheet:
  drawing of 198 lines, arcs and shapes, not listed
  text "1" at -9.54,157.649 h6
  text "2" at 35.461,157.649 h6
  text "3" at 80.461,157.649 h6
  text "4" at 125.461,157.649 h6
  text "5" at 170.461,157.649 h6
  text "6" at 215.461,157.649 h6
  text "A" at -29.806,139.899 h6
  text "A" at 242.194,139.899 h6
  text "B" at -29.806,93.149 h6
  text "B" at 242.194,93.149 h6
  text "C" at -29.92,43.149 h6
  text "D" at -29.92,-6.851 h6
  text "D" at 242.08,-6.851 h6
  text "Drawn" at 132.14,-9.5 h3.2
  text "Checked" at 169.14,-9.5 h3.2
  text "Drawing No." at 192.161,-9.5 h3.2
  text "mkoc" at 134.14,-13.5 h4
  text "Title, Comments" at 132.14,-18.5 h3.2
  text "Project" at 192.14,-18.5 h3.2
  text "MIRA050-2Q_1WB CSP" at 134.14,-22.5 h4
  text "MIRA050-2" at 194.14,-22.5 h4
  text "Reference Design" at 134.14,-26.5 h3.8
  text "Borsbeeksebrug 22 | 2600 Antwerpen | Belgium" at 79.5,-27.5 h3
  text "Rev." at 192.14,-27.5 h3.2
  text "Date" at 201.14,-27.5 h3.2
  text "size" at 229.671,-27.5 h2
  text "A4" at 234.14,-27.5 h3.2
  text "ams-osram.com" at 79.5,-30.5 h3
  text "3.0" at 192.5,-31.5 h4
  text "06-May-2024" at 203.14,-31.5 h4
  text "scale" at 229.671,-32 h2
  text "1:1" at 234.14,-32.5 h3.2
  text "mm 0" at 134.765,-36.5 h3
  text "50" at 188.298,-36.506 h3
  text "100" at 237.14,-36.5 h3
  text "1" at -9.54,-37.5 h6
  text "2" at 35.461,-37.5 h6
  text "3" at 80.461,-37.5 h6
  text "4" at 125.461,-37.5 h6
Top Component Center:
  lines w0.1: 18.5,19 19.5,19 ; 19,18.5 19,19.5
Drill Drawing:
  circle w0.15: c-18.468,139.206 r0.556
  lines w0.15: -19.024,133.928 -18.746,133.928 -18.746,133.65 -18.191,133.65 -18.191,133.928 -17.913,133.928 -17.913,134.483 -18.191,134.483 -18.191,134.761 -18.746,134.761 -18.746,134.483 -19.024,134.483 -19.024,133.928 ; -19.024,136.15 -17.913,136.15 -17.913,137.261 -19.024,137.261 -19.024,136.15 ; -19.024,141.428 -18.746,141.428 -18.468,141.15 -18.191,141.428 -17.913,141.428 -18.191,141.706 -17.913,141.983 -18.191,141.983 -18.468,142.261 -18.746,141.983 -19.024,141.983 -18.746,141.706 -19.024,141.428 ; -19.024,144.761 -17.913,144.761 -18.468,143.65 -19.024,144.761
  lines w0.381: -20.015,132.9 92.281,132.9 ; -20.015,145.4 92.281,145.4 ; -10.887,130.4 -10.887,147.9 ; -1.09,130.4 -1.09,147.9 ; 10.887,130.4 10.887,147.9 ; 19.265,130.4 19.265,147.9 ; 31.441,130.4 31.441,147.9 ; 58.4,130.4 58.4,147.9 ; 68.177,130.4 68.177,147.9 ; 80.554,130.4 80.554,147.9 ; -20.015,130.4 92.281,130.4 92.281,147.9 -20.015,147.9 -20.015,130.4
  text "Symbol" at -18.515,146.15 h1.2
  text "Count" at -10.137,146.15 h1.2
  text "Hole Size" at -0.34,146.15 h1.2
  text "Plated" at 11.637,146.15 h1.2
  text "Hole Type" at 20.015,146.15 h1.2
  text "Drill Layer Pair" at 32.191,146.15 h1.2
  text "Via/Pad" at 59.15,146.15 h1.2
  text "Pad Shape" at 68.927,146.15 h1.2
  text "Via Type" at 81.304,146.15 h1.2
  text "10" at -10.137,143.65 h1
  text "0.125mm" at -0.34,143.65 h1
  text "PTH" at 11.637,143.65 h1
  text "Round" at 20.015,143.65 h1
  text "[uVia] Top Layer - Layer 2" at 32.191,143.65 h1
  text "Via" at 59.15,143.65 h1
  text "Rounded" at 68.927,143.65 h1
  text "95" at -10.137,141.15 h1
  text "0.250mm" at -0.34,141.15 h1
  text "PTH" at 11.637,141.15 h1
  text "Round" at 20.015,141.15 h1
  text "Top Layer - Bottom Layer" at 32.191,141.15 h1
  text "Via" at 59.15,141.15 h1
  text "Rounded" at 68.927,141.15 h1
  text "Type 7" at 81.304,141.15 h1
  text "9" at -10.137,138.65 h1
  text "1.100mm" at -0.34,138.65 h1
  text "PTH" at 11.637,138.65 h1
  text "Round" at 20.015,138.65 h1
  text "Top Layer - Bottom Layer" at 32.191,138.65 h1
  text "Pad" at 59.15,138.65 h1
  text "(Mixed)" at 68.927,138.65 h1
  text "2" at -10.137,136.15 h1
  text "2.200mm" at -0.34,136.15 h1
  text "PTH" at 11.637,136.15 h1
  text "Round" at 20.015,136.15 h1
  text "Top Layer - Bottom Layer" at 32.191,136.15 h1
  text "Pad" at 59.15,136.15 h1
  text "Rounded" at 68.927,136.15 h1
  text "4" at -10.137,133.65 h1
  text "3.200mm" at -0.34,133.65 h1
  text "PTH" at 11.637,133.65 h1
  text "Round" at 20.015,133.65 h1
  text "Top Layer - Bottom Layer" at 32.191,133.65 h1
  text "Pad" at 59.15,133.65 h1
  text "Rounded" at 68.927,133.65 h1
  text "120 Total" at -10.137,131.15 h1